# Altium PCB COPY_HIVE_BOARD.PcbDoc (part 2 of 9) (continued)
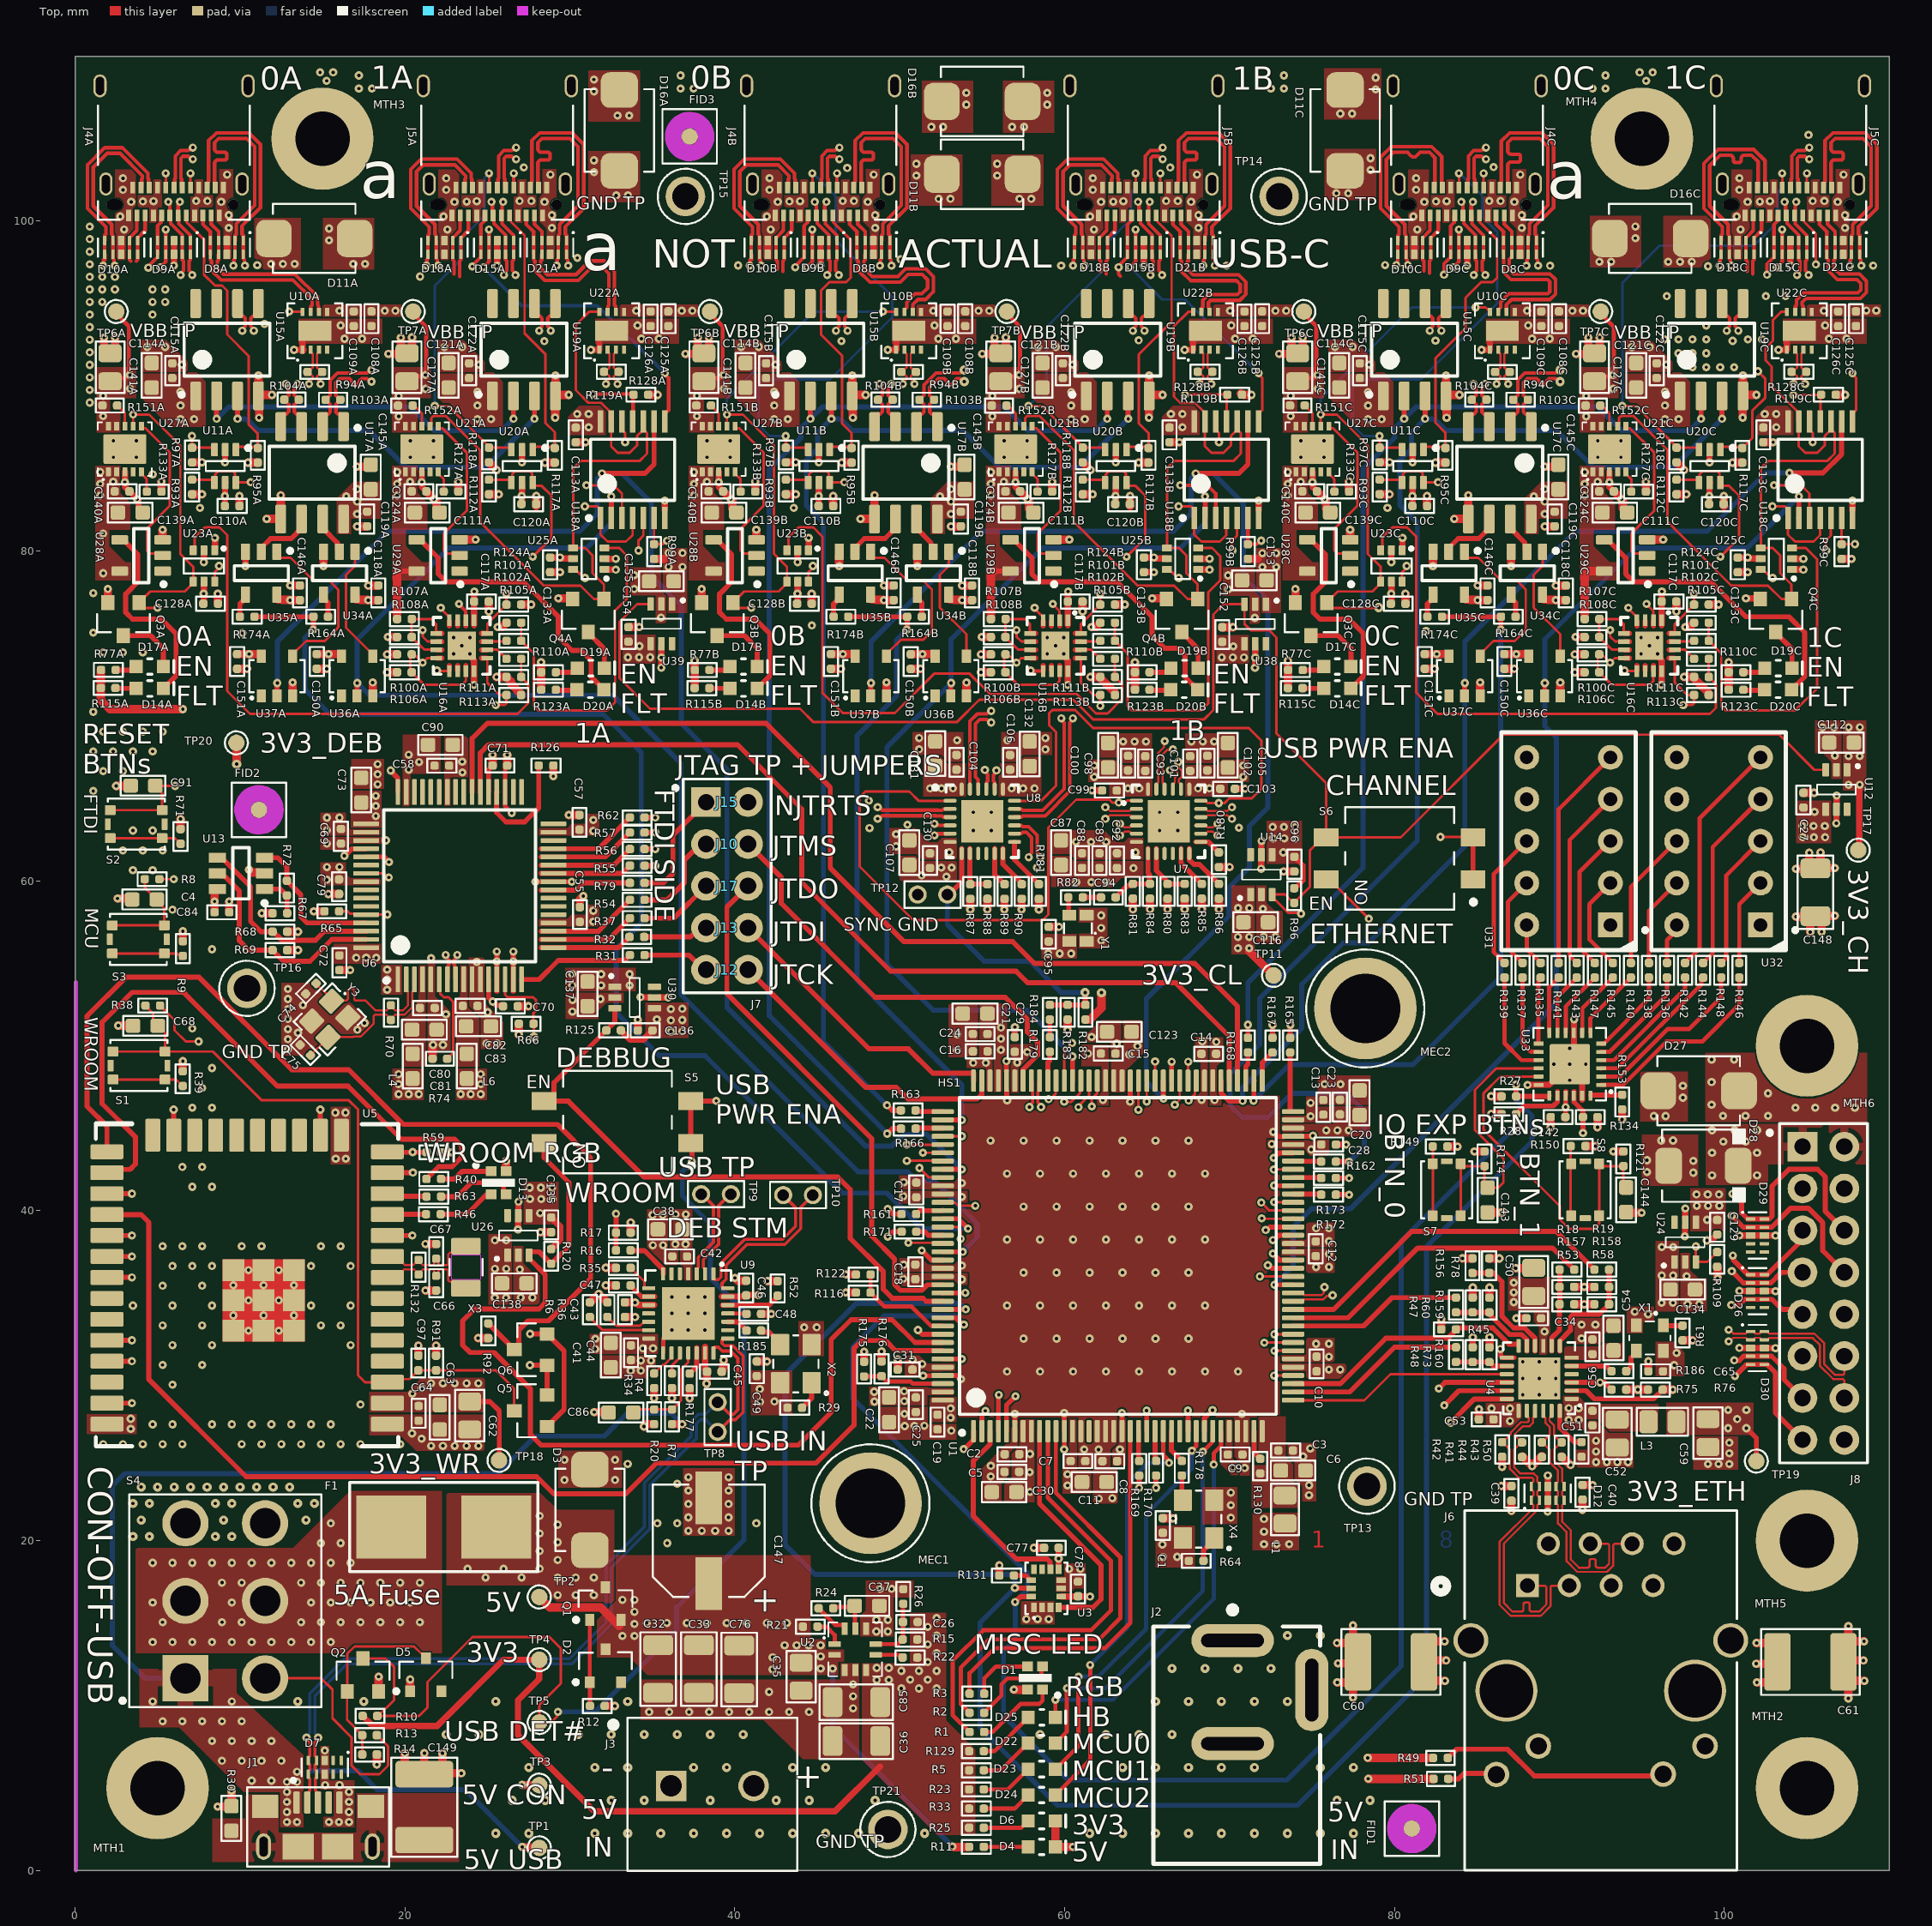
[diagram p0: Top view]
## Components (designator, comment, footprint, x,y, rotation, side; value= is the part's Value field where it differs from the comment) (continued)
U5 "ESP32-WROOM-32UE (4MB)" COM_ESP32-WROOM-32UE(8MB) 10.432,34.569 r180 top
U6 "FT4232HL-REEL" COM_USB_FT4232HL-REEL 23.321,59.702 r90 top
U7 "SI53342-B-GM" TIM_FAN_SI53342-B-GM 66.304,63.613 r0 top value=2:6
U8 "SI53342-B-GM" TIM_FAN_SI53342-B-GM 55.004,63.613 r0 top value=2:6
U9 "USB2412-DZK" USB_USB2412-DZK 37.179,33.778 r270 top value=2-PORTS
U10A "DS90LV001TLD/NOPB" COM_BUF_DS90LV001TLD/NOPB 14.536,93.351 r90 top value=LVDS (schematic designator U10)
U10B "DS90LV001TLD/NOPB" COM_BUF_DS90LV001TLD/NOPB 50.536,93.351 r90 top value=LVDS (schematic designator U10)
U10C "DS90LV001TLD/NOPB" COM_BUF_DS90LV001TLD/NOPB 86.536,93.351 r90 top value=LVDS (schematic designator U10)
U11A "TC7PZ05FU,LJ(CT" LOG_BUF_TC7PZ05FU,LJ(CT 9.102,85.146 r270 top (schematic designator U11)
U11B "TC7PZ05FU,LJ(CT" LOG_BUF_TC7PZ05FU,LJ(CT 45.102,85.146 r270 top (schematic designator U11)
U11C "TC7PZ05FU,LJ(CT" LOG_BUF_TC7PZ05FU,LJ(CT 81.102,85.146 r270 top (schematic designator U11)
U12 "MIC94072YC6-TR" POW_MIC94072YC6-TR 106.788,65.534 r270 top value=120mOhm
U13 "93LC46BT-E/OT" MEM_EEPROM_93LC46BT-E/OT 10.061,60.456 r180 top value=1Kb
U14 "MIC94072YC6-TR" POW_MIC94072YC6-TR 71.925,60.377 r90 top value=120mOhm
U15A "FIN1027AMX" COM_XCV_FIN1027AMCOM 9.216,92.202 r90 top value=600Mbps (schematic designator U15)
U15B "FIN1027AMX" COM_XCV_FIN1027AMCOM 45.216,92.202 r90 top value=600Mbps (schematic designator U15)
U15C "FIN1027AMX" COM_XCV_FIN1027AMCOM 81.216,92.202 r90 top value=600Mbps (schematic designator U15)
U16A "LM339LVRTER" CMP_LM339LVRTER 23.444,74.256 r270 top (schematic designator U16)
U16B "LM339LVRTER" CMP_LM339LVRTER 59.444,74.256 r270 top (schematic designator U16)
U16C "LM339LVRTER" CMP_LM339LVRTER 95.444,74.256 r270 top (schematic designator U16)
U17A "FIN1028MX" COM_XCV_FIN1028MX 14.375,84.742 r270 top value=400Mbps (schematic designator U17)
U17B "FIN1028MX" COM_XCV_FIN1028MX 50.375,84.742 r270 top value=400Mbps (schematic designator U17)
U17C "FIN1028MX" COM_XCV_FIN1028MX 86.375,84.742 r270 top value=400Mbps (schematic designator U17)
U18A "74LVC126APW,118" LOG_BUF_74LVC126APW,118 33.805,84.925 r90 top (schematic designator U18)
U18B "74LVC126APW,118" LOG_BUF_74LVC126APW,118 69.805,84.925 r90 top (schematic designator U18)
U18C "74LVC126APW,118" LOG_BUF_74LVC126APW,118 105.805,84.925 r90 top (schematic designator U18)
U19A "FIN1027AMX" COM_XCV_FIN1027AMCOM 27.216,92.202 r90 top value=600Mbps (schematic designator U19)
U19B "FIN1027AMX" COM_XCV_FIN1027AMCOM 63.216,92.202 r90 top value=600Mbps (schematic designator U19)
U19C "FIN1027AMX" COM_XCV_FIN1027AMCOM 99.216,92.202 r90 top value=600Mbps (schematic designator U19)
U20A "TC7PZ05FU,LJ(CT" LOG_BUF_TC7PZ05FU,LJ(CT 27.102,85.146 r270 top (schematic designator U20)
U20B "TC7PZ05FU,LJ(CT" LOG_BUF_TC7PZ05FU,LJ(CT 63.102,85.146 r270 top (schematic designator U20)
U20C "TC7PZ05FU,LJ(CT" LOG_BUF_TC7PZ05FU,LJ(CT 99.102,85.146 r270 top (schematic designator U20)
U21A "NIS6150MT1TXG" POW_NIS6150MT1TXG 21.023,86.182 r90 top (schematic designator U21)
U21B "NIS6150MT1TXG" POW_NIS6150MT1TXG 57.023,86.182 r90 top (schematic designator U21)
U21C "NIS6150MT1TXG" POW_NIS6150MT1TXG 93.023,86.182 r90 top (schematic designator U21)
U22A "DS90LV001TLD/NOPB" COM_BUF_DS90LV001TLD/NOPB 32.536,93.351 r90 top value=LVDS (schematic designator U22)
U22B "DS90LV001TLD/NOPB" COM_BUF_DS90LV001TLD/NOPB 68.536,93.351 r90 top value=LVDS (schematic designator U22)
U22C "DS90LV001TLD/NOPB" COM_BUF_DS90LV001TLD/NOPB 104.536,93.351 r90 top value=LVDS (schematic designator U22)
U23A "74LVC1G11DW-7" LOG_AND_74LVC1G11DW-7 7.812,79.091 r270 top (schematic designator U23)
U23B "74LVC1G11DW-7" LOG_AND_74LVC1G11DW-7 43.812,79.091 r270 top (schematic designator U23)
U23C "74LVC1G11DW-7" LOG_AND_74LVC1G11DW-7 79.812,79.091 r270 top (schematic designator U23)
U24 "MIC94072YC6-TR" POW_MIC94072YC6-TR 97.619,38.098 r90 top value=120mOhm
U25A "74LVC1G11DW-7" LOG_AND_74LVC1G11DW-7 31.15,79.53 r180 top (schematic designator U25)
U25B "74LVC1G11DW-7" LOG_AND_74LVC1G11DW-7 67.15,79.53 r180 top (schematic designator U25)
U25C "74LVC1G11DW-7" LOG_AND_74LVC1G11DW-7 103.15,79.53 r180 top (schematic designator U25)
U26 "MIC94072YC6-TR" POW_MIC94072YC6-TR 26.873,38.508 r90 top value=120mOhm
U27A "NIS6150MT1TXG" POW_NIS6150MT1TXG 3.023,86.182 r90 top (schematic designator U27)
U27B "NIS6150MT1TXG" POW_NIS6150MT1TXG 39.023,86.182 r90 top (schematic designator U27)
U27C "NIS6150MT1TXG" POW_NIS6150MT1TXG 75.023,86.182 r90 top (schematic designator U27)
U28A "74AHC1G07GV,125" "LOG_BUF_ 74AHC1G07GV,125" 4.013,79.731 r180 top (schematic designator U28)
U28B "74AHC1G07GV,125" "LOG_BUF_ 74AHC1G07GV,125" 40.013,79.731 r180 top (schematic designator U28)
U28C "74AHC1G07GV,125" "LOG_BUF_ 74AHC1G07GV,125" 76.013,79.731 r180 top (schematic designator U28)
U29A "74AHC1G07GV,125" "LOG_BUF_ 74AHC1G07GV,125" 22.013,79.731 r180 top (schematic designator U29)
U29B "74AHC1G07GV,125" "LOG_BUF_ 74AHC1G07GV,125" 58.013,79.731 r180 top (schematic designator U29)
U29C "74AHC1G07GV,125" "LOG_BUF_ 74AHC1G07GV,125" 94.013,79.731 r180 top (schematic designator U29)
U30 "MIC94072YC6-TR" POW_MIC94072YC6-TR 33.924,52.931 r0 top value=120mOhm
U31 "INND-TS30RAB" LED_7SEG_INND-TS30RAB 90.548,62.41 r180 top
U32 "INND-TS30RAB" LED_7SEG_INND-TS30RAB 99.644,62.41 r180 top
U33 "TCA9539RGER" LOG_IOEXP_TCA9539RGER 90.624,48.886 r180 top
U34A "74LVC1G126GV,125" "LOG_BUF_ 74LVC1G126GV,125" 16.023,78.658 r270 top value="BUF 5V" (schematic designator U34)
U34B "74LVC1G126GV,125" "LOG_BUF_ 74LVC1G126GV,125" 52.023,78.658 r270 top value="BUF 5V" (schematic designator U34)
U34C "74LVC1G126GV,125" "LOG_BUF_ 74LVC1G126GV,125" 88.023,78.658 r270 top value="BUF 5V" (schematic designator U34)
U35A "74LVC1G126GV,125" "LOG_BUF_ 74LVC1G126GV,125" 11.284,78.658 r270 top value="BUF 5V" (schematic designator U35)
U35B "74LVC1G126GV,125" "LOG_BUF_ 74LVC1G126GV,125" 47.284,78.658 r270 top value="BUF 5V" (schematic designator U35)
U35C "74LVC1G126GV,125" "LOG_BUF_ 74LVC1G126GV,125" 83.284,78.658 r270 top value="BUF 5V" (schematic designator U35)
U36A "74LVC1G04GV" LOG_INV_74LVC1G04GV 17.094,72.415 r0 top (schematic designator U36)
U36B "74LVC1G04GV" LOG_INV_74LVC1G04GV 53.094,72.415 r0 top (schematic designator U36)
U36C "74LVC1G04GV" LOG_INV_74LVC1G04GV 89.094,72.415 r0 top (schematic designator U36)
U37A "74LVC1G04GV" LOG_INV_74LVC1G04GV 12.243,72.415 r0 top (schematic designator U37)
U37B "74LVC1G04GV" LOG_INV_74LVC1G04GV 48.243,72.415 r0 top (schematic designator U37)
U37C "74LVC1G04GV" LOG_INV_74LVC1G04GV 84.243,72.415 r0 top (schematic designator U37)
U38 "MIC94072YC6-TR" POW_MIC94072YC6-TR 71.55,75.574 r270 top value=120mOhm
U39 "MIC94072YC6-TR" POW_MIC94072YC6-TR 35.55,75.585 r270 top value=120mOhm
X1 "ASDM1-25.000MHZ-LC-T" OSC_CRY_ASDM1-25.000MHZ-LC-T 95.479,32.283 r180 top value=25.000MHz
X2 "O 24,0-JO32-B-1V3-1-T1-LF" "OSC_O 24,0-JO32-B-1V3-1-T1-LF" 43.701,30.726 r90 top value=24MHz
X3 "VMK3-9005-32K7680000" CRY_VMK3-9005-32K7680000 23.698,36.576 r90 top value=32.7680kHz
X4 "O 24,0-JO32-B-1V3-1-T1-LF" "OSC_O 24,0-JO32-B-1V3-1-T1-LF" 68.113,21.31 r90 top value=24MHz
Y1 "O 38,40-JT21G-E-M-3,3-LF" "OSC_O 38,40-JT21G-E-M-3,3-LF" 60.803,57.125 r180 top value="38.4 MHz"
Y3 "FA-20H 12.0000MD30Z-K3" CRY_FA-20H 15.445,51.607 r225 top value=12MHz

## Footprints (in the part's own frame and the unit in brackets; to place one, negate y for a bottom-side part, rotate by r counter-clockwise, add the part's x,y. Pads: shape width x height; smd on the part's side, far side on the other; paste and mask are expansions set on the pad)
CAP_CER_0402 [mil] "Ceramic Capacitor - 0402"
  rrect60% 20x20 smd paste+0 mask+1.97: 1(-17.5,0) 2(17.5,0)
  silkscreen extent -34,-17 34,17, body extent -19,-10 20,10, height 20
CAP_CER_0603 [mil] "Ceramic Capacitor - 0603"
  rrect35% 35x34 smd paste+0 mask+1.97: 1(-29.5,0) 2(29.5,0)
  silkscreen extent -53,-24 53,24, body extent -31,-16 31,16, height 35
CAP_CER_0805 [mil] "Ceramic Capacitor - 0805"
  rrect37% 43x55 smd paste+0 mask+1.97: 1(-33.5,0) 2(33.5,0)
  silkscreen extent -62,-34 62,35, body extent -39,-24 40,25, height 49
CAP_CER_1206 [mil] "Ceramic Capacitor - 1206"
  rrect34% 47x71 smd paste+0 mask+1.97: 1(-57,0) 2(57,0)
  silkscreen extent -88,-42 88,43, body extent -62,-31 64,32, height 49
CAP_CER_1812 [mm]
  rrect25% 1.6x3.5 smd paste-0.025 mask+0.05: 1(-2,0) 2(2,0)
  silkscreen extent -3,-2 3,2, body extent -2.3,-1.6 2.3,1.6, height 1.3
CAP_POLY_APXG160ARA221MF80G [mm]
  rect 3.21x1.62 smd paste-0.025 mask+0.07: 1(-2.6,0) 2(2.6,0)
  silkscreen extent -3.4,-3.4 3.4,3.4, body extent -3.6,-3.4 3.6,3.4, height 8
CMP_LM339LVRTER [mm] "WQFN-16"
  rrect10% 0.7x0.28 smd paste-0.025 mask+0.055: 1(-1.55,0.75) 2(-1.55,0.25) 3(-1.55,-0.25) 4(-1.55,-0.75) 9(1.55,-0.75) 10(1.55,-0.25) 11(1.55,0.25) 12(1.55,0.75)
  rrect10% 0.28x0.7 smd paste-0.025 mask+0.055: 5(-0.75,-1.55) 6(-0.25,-1.55) 7(0.25,-1.55) 8(0.75,-1.55) 13(0.75,1.55) 14(0.25,1.55) 15(-0.25,1.55) 16(-0.75,1.55)
  rect 1.7x1.7 smd paste-1.7 mask+0: 17(0,0)
  Top region: 1.2,0.89 1.139,0.876 1.09,0.837 1.063,0.781 1.063,0.719 1.09,0.663 1.139,0.624 1.2,0.61 1.2,0.61 1.55,0.61 1.55,0.89
  Top region: 1.2,-0.61 1.139,-0.624 1.09,-0.663 1.063,-0.719 1.063,-0.781 1.09,-0.837 1.139,-0.876 1.2,-0.89 1.2,-0.89 1.55,-0.89 1.55,-0.61
  Top region: 1.2,-0.11 1.139,-0.124 1.09,-0.163 1.063,-0.219 1.063,-0.281 1.09,-0.337 1.139,-0.376 1.2,-0.39 1.2,-0.39 1.55,-0.39 1.55,-0.11
  Top region: 1.2,0.39 1.139,0.376 1.09,0.337 1.063,0.281 1.063,0.219 1.09,0.163 1.139,0.124 1.2,0.11 1.2,0.11 1.55,0.11 1.55,0.39
  Top region: -0.89,1.2 -0.876,1.139 -0.837,1.09 -0.781,1.063 -0.719,1.063 -0.663,1.09 -0.624,1.139 -0.61,1.2 -0.61,1.2 -0.61,1.55 -0.89,1.55
  Top region: 0.61,1.2 0.624,1.139 0.663,1.09 0.719,1.063 0.781,1.063 0.837,1.09 0.876,1.139 0.89,1.2 0.89,1.2 0.89,1.55 0.61,1.55
  Top region: 0.11,1.2 0.124,1.139 0.163,1.09 0.219,1.063 0.281,1.063 0.337,1.09 0.376,1.139 0.39,1.2 0.39,1.2 0.39,1.55 0.11,1.55
  Top region: -0.39,1.2 -0.376,1.139 -0.337,1.09 -0.281,1.063 -0.219,1.063 -0.163,1.09 -0.124,1.139 -0.11,1.2 -0.11,1.2 -0.11,1.55 -0.39,1.55
  Top region: -1.2,-0.89 -1.139,-0.876 -1.09,-0.837 -1.063,-0.781 -1.063,-0.719 -1.09,-0.663 -1.139,-0.624 -1.2,-0.61 -1.2,-0.61 -1.55,-0.61 -1.55,-0.89
  Top region: -1.2,0.61 -1.139,0.624 -1.09,0.663 -1.063,0.719 -1.063,0.781 -1.09,0.837 -1.139,0.876 -1.2,0.89 -1.2,0.89 -1.55,0.89 -1.55,0.61
  Top region: -1.2,0.11 -1.139,0.124 -1.09,0.163 -1.063,0.219 -1.063,0.281 -1.09,0.337 -1.139,0.376 -1.2,0.39 -1.2,0.39 -1.55,0.39 -1.55,0.11
  Top region: -1.2,-0.39 -1.139,-0.376 -1.09,-0.337 -1.063,-0.281 -1.063,-0.219 -1.09,-0.163 -1.139,-0.124 -1.2,-0.11 -1.2,-0.11 -1.55,-0.11 -1.55,-0.39
  Top region: 0.89,-1.2 0.876,-1.139 0.837,-1.09 0.781,-1.063 0.719,-1.063 0.663,-1.09 0.624,-1.139 0.61,-1.2 0.61,-1.2 0.61,-1.55 0.89,-1.55
  Top region: -0.61,-1.2 -0.624,-1.139 -0.663,-1.09 -0.719,-1.063 -0.781,-1.063 -0.837,-1.09 -0.876,-1.139 -0.89,-1.2 -0.89,-1.2 -0.89,-1.55 -0.61,-1.55
  Top region: -0.11,-1.2 -0.124,-1.139 -0.163,-1.09 -0.219,-1.063 -0.281,-1.063 -0.337,-1.09 -0.376,-1.139 -0.39,-1.2 -0.39,-1.2 -0.39,-1.55 -0.11,-1.55
  Top region: 0.39,-1.2 0.376,-1.139 0.337,-1.09 0.281,-1.063 0.219,-1.063 0.163,-1.09 0.124,-1.139 0.11,-1.2 0.11,-1.2 0.11,-1.55 0.39,-1.55
  silkscreen extent -1.73,-1.73 1.73,1.73, body extent -1.58,-1.58 1.58,1.58, height 0.8
COM_BUF_DS90LV001TLD/NOPB [mm] "SON, 8-Leads, Body 3.00x3.00mm, Pitch 0.50mm, Thermal Pad 2.00x1.20mm, IPC Medium Density"
  rect 0.5x0.25 smd paste-0.025 mask+0.07: 1(-1.15,0.75) 2(-1.15,0.25) 3(-1.15,-0.25) 4(-1.15,-0.75) 5(1.15,-0.75) 6(1.15,-0.25) 7(1.15,0.25) 8(1.15,0.75)
  rect 1.2x2 smd paste-0.025 mask+0.07: 9(0,0)
  silkscreen extent -1.82,-1.66 1.66,1.66, body extent -1.55,-1.55 1.55,1.55, height 0.8
COM_ESP32-WROOM-32UE(8MB) [mm]
  rrect20% 2x0.9 smd paste-0.025 mask+0.07: 1(-8.5,7.5) 2(-8.5,6.23) 3(-8.5,4.96) 4(-8.5,3.69) 5(-8.5,2.42) 6(-8.5,1.15) 7(-8.5,-0.12) 8(-8.5,-1.39) 9(-8.5,-2.66) 10(-8.5,-3.93) 11(-8.5,-5.2) 12(-8.5,-6.47) 13(-8.5,-7.74) 14(-8.5,-9.01) 25(8.5,-9.01) 26(8.5,-7.74) 27(8.5,-6.47) 28(8.5,-5.2) 29(8.5,-3.93) 30(8.5,-2.66) 31(8.5,-1.39) 32(8.5,-0.12) 33(8.5,1.15) 34(8.5,2.42) 35(8.5,3.69) 36(8.5,4.96) 37(8.5,6.23) 38(8.5,7.5)
  rrect20% 0.9x2 smd paste-0.025 mask+0.07: 15(-5.715,-10.01) 16(-4.445,-10.01) 17(-3.175,-10.01) 18(-1.905,-10.01) 19(-0.635,-10.01) 20(0.635,-10.01) 21(1.905,-10.01) 22(3.175,-10.01) 23(4.445,-10.01) 24(5.715,-10.01)
  rrect0% 1.33x1.33 smd paste-0.025 mask+0.07: 39(-2.835,1.835) 39(-2.835,0) 39(-2.835,-1.835) 39(-1,1.835) 39(-1,0) 39(-1,-1.835) 39(0.835,1.835) 39(0.835,0) 39(0.835,-1.835)
  Top region: -3.5,-2.5 1.5,-2.5 1.5,2.5 -3.5,2.5
  silkscreen extent -9.17,-10.73 9.17,8.83, body extent -9.03,-10.55 9.04,8.69, height 3.4
COM_ETH_LAN8742A-CZ-TR [mm] "24SQFN"
  rrect50% 0.85x0.25 smd paste+0 mask+0.05: 1(-1.968,1.25) 2(-1.968,0.75) 3(-1.968,0.25) 4(-1.968,-0.25) 5(-1.968,-0.75) 6(-1.968,-1.25) 13(1.968,-1.25) 14(1.968,-0.75) 15(1.968,-0.25) 16(1.968,0.25) 17(1.968,0.75) 18(1.968,1.25)
  rrect50% 0.25x0.85 smd paste+0 mask+0.05: 7(-1.25,-1.968) 8(-0.75,-1.968) 9(-0.25,-1.968) 10(0.25,-1.968) 11(0.75,-1.968) 12(1.25,-1.968) 19(1.25,1.968) 20(0.75,1.968) 21(0.25,1.968) 22(-0.25,1.968) 23(-0.75,1.968) 24(-1.25,1.968)
  rect 2.55x2.55 smd paste-1.283 mask+0: 25(0,0)
  silkscreen extent -2.54,-2.17 2.17,2.17, body extent -2.04,-2.04 2.05,2.05, height 1.4
COM_USB_FT4232HL-REEL [mm] "TSQFP, 64-Leads, Body 10,00x10,00mm"
  rrect25% 1.56x0.28 smd paste-0.025 mask+0.055: 1(-5.68,3.75) 2(-5.68,3.25) 3(-5.68,2.75) 4(-5.68,2.25) 5(-5.68,1.75) 6(-5.68,1.25) 7(-5.68,0.75) 8(-5.68,0.25) 9(-5.68,-0.25) 10(-5.68,-0.75) 11(-5.68,-1.25) 12(-5.68,-1.75) 13(-5.68,-2.25) 14(-5.68,-2.75) 15(-5.68,-3.25) 16(-5.68,-3.75) 33(5.68,-3.75) 34(5.68,-3.25) 35(5.68,-2.75) 36(5.68,-2.25) 37(5.68,-1.75) 38(5.68,-1.25) 39(5.68,-0.75) 40(5.68,-0.25) 41(5.68,0.25) 42(5.68,0.75) 43(5.68,1.25) 44(5.68,1.75) 45(5.68,2.25) 46(5.68,2.75) 47(5.68,3.25) 48(5.68,3.75)
  rrect25% 0.28x1.56 smd paste-0.025 mask+0.055: 17(-3.75,-5.68) 18(-3.25,-5.68) 19(-2.75,-5.68) 20(-2.25,-5.68) 21(-1.75,-5.68) 22(-1.25,-5.68) 23(-0.75,-5.68) 24(-0.25,-5.68) 25(0.25,-5.68) 26(0.75,-5.68) 27(1.25,-5.68) 28(1.75,-5.68) 29(2.25,-5.68) 30(2.75,-5.68) 31(3.25,-5.68) 32(3.75,-5.68) 49(3.75,5.68) 50(3.25,5.68) 51(2.75,5.68) 52(2.25,5.68) 53(1.75,5.68) 54(1.25,5.68) 55(0.75,5.68) 56(0.25,5.68) 57(-0.25,5.68) 58(-0.75,5.68) 59(-1.25,5.68) 60(-1.75,5.68) 61(-2.25,5.68) 62(-2.75,5.68) 63(-3.25,5.68) 64(-3.75,5.68)
  silkscreen extent -5.87,-4.6 4.6,4.6, body extent -6,-6 6,6, height 1.58
COM_XCV_FIN1027AMCOM [mm] "8-SOIC"
  rrect30% 1.75x0.65 smd paste-0.025 mask+0.07: 1(-2.8,1.905) 2(-2.8,0.635) 3(-2.8,-0.635) 4(-2.8,-1.905) 5(2.8,-1.905) 6(2.8,-0.635) 7(2.8,0.635) 8(2.8,1.905)
  silkscreen extent -2.85,-2.6 1.6,2.88, body extent -3,-2.5 3,2.5, height 1.75
COM_XCV_FIN1028MX [mm] "8-SOIC"
  rrect30% 1.75x0.65 smd paste-0.025 mask+0.07: 1(-2.8,1.905) 2(-2.8,0.635) 3(-2.8,-0.635) 4(-2.8,-1.905) 5(2.8,-1.905) 6(2.8,-0.635) 7(2.8,0.635) 8(2.8,1.905)
  silkscreen extent -2.85,-2.6 1.6,2.88, body extent -3,-2.5 3,2.5, height 1.75
"CON_ 1935161" [mm]
  rect 1.85x1.85 hole 1.3: 1(0,0)
  round 1.85 hole 1.3: 2(5,0)
  silkscreen extent -3.63,-5.16 7.65,4.14, body extent -2.5,-5 8.07,4, height 11.4
CON_ETH_J1B1211CCD_WIZ [mil] "ETH with mags"
  round 148 hole 128: 0(-75,-101.57) 0(375,-101.57)
  rect 55x55 / inner round 55 / far side round 55 hole 35.43 mask+0: 1(-25,149.21)
  round 55 hole 35.43 mask+0: 2(25,249.21) 3(75,149.21) 4(125,249.21) 5(175,149.21) 6(225,249.21) 7(275,149.21) 8(325,249.21)
  round 61 hole 41: 9(-99.02,-301.57) 10(0.98,-233.86) 11(299.02,-300.79) 12(399.02,-233.86)
  round 83 hole 63: 13(-160.04,18.5) 14(460.04,18.5)
  silkscreen extent -247,-530 475,328, body extent -204,-525 506,313, height 565
CON_HDR_PREC008DAAN-RC [mm]
  rect 1.8x1.8 hole 1: 1(-1.27,8.89)
  round 1.8 hole 1: 2(1.27,8.89) 3(-1.27,6.35) 4(1.27,6.35) 5(-1.27,3.81) 6(1.27,3.81) 7(-1.27,1.27) 8(1.27,1.27) 9(-1.27,-1.27) 10(1.27,-1.27) 11(-1.27,-3.81) 12(1.27,-3.81) 13(-1.27,-6.35) 14(1.27,-6.35) 15(-1.27,-8.89) 16(1.27,-8.89)
  silkscreen extent -3.38,-10.29 2.67,10.29, body extent -2.54,-10.16 2.54,10.16, height 8.37
CON_HDR_PREC009DAAN-RC [mm] "18 pin header 100 mils"
  rect 1.8x1.8 hole 1: 1(-1.27,5.08)
  round 1.8 hole 1: 2(1.27,5.08) 3(-1.27,2.54) 4(1.27,2.54) 5(-1.27,0) 6(1.27,0) 7(-1.27,-2.54) 8(1.27,-2.54) 9(-1.27,-5.08) 10(1.27,-5.08)
  silkscreen extent -3.26,-6.48 2.67,6.48, body extent -2.54,-6.35 2.54,6.35, height 8.43
CON_JMP_SNT-100-BK-T-H [mm] "100 Mil Header Jumper"
  body extent -2.54,-1.27 2.54,1.27, height 16.51
CON_PWR_PJ-002A [mm]
  oval 2x5 hole 0.8 slot 3.8 at 90 deg mask+0.07: 1(-6.25,0) 2(0,0)
  oval 5x2 hole 0.8 slot 3.8 at 0 deg mask+0.07: 3(-3.25,4.8)
  silkscreen extent -8.31,-4.8 7.29,5.3, body extent -6.8,-4.5 7.5,5, height 11.02
CON_USB_3.2_TypeC_12401598E4#2A [mm]
  oval 0.8x1.4 hole 0.5 slot 1.1 at 90 deg paste+0 mask+0.07: 1(-4.13,-1.25) 2(-4.49,-7.2) 3(4.49,-7.2) 4(4.13,-1.25)
  rect 0.3x0.7 smd paste-0.025 mask+0.04: A1(-2.75,0.66) A2(-2.25,0.66) A3(-1.75,0.66) A4(-1.25,0.66) A5(-0.75,0.66) A6(-0.25,0.66) A7(0.25,0.66) A8(0.75,0.66) A9(1.25,0.66) A10(1.75,0.66) A11(2.25,0.66) A12(2.75,0.66) B1(2.5,-1.04) B2(2,-1.04) B3(1.5,-1.04) B4(1,-1.04) B5(0.5,-1.04) B6(0,-1.04) B7(-0.5,-1.04) B8(-1,-1.04) B9(-1.5,-1.04) B10(-2,-1.04) B11(-2.5,-1.04) B12(-3,-1.04)
  round 0.65 hole 0.65 unplated mask+0.07: ""(-3.6,0)
  oval 0.95x0.65 hole 0.65 slot 0.95 at 0 deg paste+0 mask+0.07: ""(3.6,0)
  silkscreen extent -4.6,-6 4.6,0.91, body extent -4.6,-9.6 4.6,0.9, height 3.28
CON_USB_10118194-0001LF [mm] "CONN USB MICRO B RECPT SMT R/A"
  rrect50% 0.4x1.35 smd paste-0.05 mask+0.05: 1(-1.3,2.675) 2(-0.65,2.675) 3(0,2.675) 4(0.65,2.675) 5(1.3,2.675)
  rect 1.6x1.4 smd paste-0.05 mask+0.05: 6(3.2,2.45) 11(-3.2,2.45)
  rrect100% 0.9x1.6 hole 0.5 slot 1.2 at 90 deg mask+0.05: 7(3.3,0) 10(-3.3,0)
  rect 1.9x1.55 smd paste-0.05 mask+0.05: 8(1.2,0) 9(-1.2,0)
  silkscreen extent -4.3,-1.2 4.3,4.11, body extent -3.93,-2.76 3.93,2.9, height 2.88
CRY_FA-20H [mm] "CRY - FA-20H 4-SMD"
  rrect20% 1.2x1.1 smd paste-0.025 mask+0.07: 1(-0.85,-0.7) 2(0.85,-0.7) 3(0.85,0.7) 4(-0.85,0.7)
  silkscreen extent -1.8,-1.45 1.65,1.45, body extent -1.3,-1.05 1.3,1.05, height 0.55
CRY_VMK3-9005-32K7680000 [mm] "CRY - 32.768KHZ tol:20ppm 9PF - 2-SMD"
  rrect20% 1x1.8 smd paste-0.025 mask+0.07: 1(-1.275,0) 2(1.275,0)
  Top keep-out region: -0.725,-0.9 0.725,-0.9 0.725,0.9 -0.725,0.9
  silkscreen extent -0.5,-1 0.5,1, body extent -1.65,-0.8 1.65,0.8, height 0.65
DIO_EAST1616RGBA3 [mm] "Diode Red/Green/Blue"
  rect 0.6x0.65 smd paste-0.025 mask+0.05: 1(0.7,0.45) 2(-0.7,0.45) 3(0.7,-0.45) 4(-0.7,-0.45)
  silkscreen extent -0.25,-1 1.14,1.47, body extent -0.8,-0.8 0.8,0.8, height 0.46
DIO_ZENER_BZX84-B4V3,215 [mm]
  rect 0.7x0.6 smd paste-0.025 mask+0.07: 1(-1,0.95) 2(-1,-0.95) 3(1,0)
  silkscreen extent -1.12,-1.6 0.81,1.92, body extent -1.3,-1.5 1.3,1.5, height 1.1
FER_0402 [mil] "Ferrite - 0402"
  rrect60% 20x20 smd paste+0 mask+1.97: 1(-17.5,0) 2(17.5,0)
  silkscreen extent -33,-17 33,17, body extent -20,-10 20,10, height 19
FER_0603 [mil] "Ferrite - 0603"
  rrect35% 35x34 smd paste+0 mask+1.97: 1(-29.5,0) 2(29.5,0)
  silkscreen extent -53,-24 53,24, body extent -31,-16 32,16, height 31
FER_0805 [mil] "Ferrite - 0805"
  rrect37% 43x55 smd paste+0 mask+1.97: 1(-33.5,0) 2(33.5,0)
  silkscreen extent -61,-33 61,33, body extent -39,-24 39,24, height 35
FID_CIRCLE_1MM [mm]
  round 1 smd paste-1 mask+1: 1(0,0)
  round 1 smd far side paste-1 mask+1: 2(0,0)
  Top keep-out circle w1: c0,0 r1
  Bottom keep-out circle w1: c0,0 r1
  silkscreen extent -1.65,-1.65 1.65,1.65
FUS_0154XXX.DR [mm] "FUSE BRD MNT 2SMD"
  rect 4.242x3.81 smd paste+0 mask+0.102: 1(-3.185,0) 2(3.185,0)
  silkscreen extent -5.7,-2.7 5.7,2.7, body extent -4.85,-2.5 4.85,2.5, height 3.69
LED_7SEG_INND-TS30RAB [mm] "100milsx200mils TH"
  rect 1.51x1.51 hole 0.81: 1(-2.54,5.08)
  round 1.51 hole 0.81: 2(-2.54,2.54) 3(-2.54,0) 4(-2.54,-2.54) 5(-2.54,-5.08) 6(2.54,-5.08) 7(2.54,-2.54) 8(2.54,0) 9(2.54,2.54) 10(2.54,5.08)
  silkscreen extent -4.76,-6.6 4.08,6.6, body extent -3.81,-6.35 3.81,6.35, height 6.25
LED_SML-D12P8WT86 [mm] "0603"
  rect 0.8x0.8 smd paste-0.025 mask+0.07: A(0.825,0) K(-0.825,0)
  silkscreen extent -1.45,-0.48 0.13,0.48, body extent -0.8,-0.4 0.8,0.4, height 0.6
LED_SML-D12U8WT86 [mm] "0603"
  rect 0.8x0.8 smd paste-0.025 mask+0.07: A(0.825,0) K(-0.825,0)
  silkscreen extent -1.45,-0.48 0.13,0.48, body extent -0.8,-0.4 0.8,0.4, height 0.6
LOG_AND_74LVC1G11DW-7 [mm] "SOT23, 6-Leads, Body 2,00x2,10mm, Pitch 0,65mm, IPC Medium Density"
  rrect20% 0.6x0.42 smd paste-0.025 mask+0.05: 1(-0.95,0.65) 2(-0.95,0) 3(-0.95,-0.65) 4(0.95,-0.65) 5(0.95,0) 6(0.95,0.65)
  silkscreen extent -1.13,-1.22 0.45,1.27, body extent -1.1,-1.1 1.1,1.1, height 1.1
LOG_BUF_74LVC126APW,118 [mm]
  rrect20% 1.35x0.35 smd paste-0.025 mask+0.07: 1(-2.925,1.95) 2(-2.925,1.3) 3(-2.925,0.65) 4(-2.925,0) 5(-2.925,-0.65) 6(-2.925,-1.3) 7(-2.925,-1.95) 8(2.925,-1.95) 9(2.925,-1.3) 10(2.925,-0.65) 11(2.925,0) 12(2.925,0.65) 13(2.925,1.3) 14(2.925,1.95)
  silkscreen extent -3.05,-2.55 1.85,2.77, body extent -3.2,-2.55 3.2,2.55, height 1.1
"LOG_BUF_ 74AHC1G07GV,125" [mm]
  rrect20% 1x0.55 smd paste-0.025 mask+0.07: 1(-1.3,0.95) 2(-1.3,0) 3(-1.3,-0.95) 4(1.3,-0.95) 5(1.3,0.95)
  silkscreen extent -1.47,-1.62 0.45,1.87, body extent -1.5,-1.55 1.5,1.55, height 1.1
"LOG_BUF_ 74LVC1G126GV,125" [mm]
  rrect20% 1x0.55 smd paste-0.025 mask+0.07: 1(-1.3,0.95) 2(-1.3,0) 3(-1.3,-0.95) 4(1.3,-0.95) 5(1.3,0.95)
  silkscreen extent -1.47,-1.62 0.45,1.88, body extent -1.5,-1.55 1.5,1.55, height 1.1
LOG_BUF_TC7PZ05FU,LJ(CT [mm]
  rrect20% 0.8x0.4 smd paste-0.05 mask+0.07: 1(-1,0.65) 2(-1,0) 3(-1,-0.65) 4(1,-0.65) 5(1,0) 6(1,0.65)
  silkscreen extent -1.22,-1.17 0.3,1.52, body extent -1.07,-1.1 1.07,1.1, height 0.9
LOG_INV_74LVC1G04GV [mm]
  rect 0.55x0.8 smd paste-0.05 mask+0.07: 1(-0.95,-1.2) 2(0,-1.2) 3(0.95,-1.2) 4(0.95,1.2) 5(-0.95,1.2)
  silkscreen extent -1.68,-1.35 1.68,0.97, body extent -1.55,-1.5 1.55,1.5, height 1.1
LOG_IOEXP_TCA9539RGER [mm] "24 VQFN"
  rrect10% 0.6x0.24 smd paste+0 mask+0.07: 1(-1.9,1.25) 2(-1.9,0.75) 3(-1.9,0.25) 4(-1.9,-0.25) 5(-1.9,-0.75) 6(-1.9,-1.25) 13(1.9,-1.25) 14(1.9,-0.75) 15(1.9,-0.25) 16(1.9,0.25) 17(1.9,0.75) 18(1.9,1.25)
  rrect10% 0.24x0.6 smd paste+0 mask+0.07: 7(-1.25,-1.9) 8(-0.75,-1.9) 9(-0.25,-1.9) 10(0.25,-1.9) 11(0.75,-1.9) 12(1.25,-1.9) 19(1.25,1.9) 20(0.75,1.9) 21(0.25,1.9) 22(-0.25,1.9) 23(-0.75,1.9) 24(-1.25,1.9)
  rrect10% 2.45x2.45 smd paste-5 mask+0.07: 25(0,0)
  silkscreen extent -2.52,-2.2 2.2,2.2, body extent -2.13,-2.13 2.13,2.13, height 0.74
MCU_STM32H735ZGT6 [mm] "TSQFP, 144-Leads, Body 20,00x20,00mm"
  rrect50% 1.35x0.3 smd paste-0.025 mask+0.048: 1(-10.625,8.75) 2(-10.625,8.25) 3(-10.625,7.75) 4(-10.625,7.25) 5(-10.625,6.75) 6(-10.625,6.25) 7(-10.625,5.75) 8(-10.625,5.25) 9(-10.625,4.75) 10(-10.625,4.25) 11(-10.625,3.75) 12(-10.625,3.25) 13(-10.625,2.75) 14(-10.625,2.25) 15(-10.625,1.75) 16(-10.625,1.25) 17(-10.625,0.75) 18(-10.625,0.25) 19(-10.625,-0.25) 20(-10.625,-0.75) 21(-10.625,-1.25) 22(-10.625,-1.75) 23(-10.625,-2.25) 24(-10.625,-2.75) 25(-10.625,-3.25) 26(-10.625,-3.75) 27(-10.625,-4.25) 28(-10.625,-4.75) 29(-10.625,-5.25) 30(-10.625,-5.75) 31(-10.625,-6.25) 32(-10.625,-6.75) 33(-10.625,-7.25) 34(-10.625,-7.75) 35(-10.625,-8.25) 36(-10.625,-8.75) 73(10.625,-8.75) 74(10.625,-8.25) 75(10.625,-7.75) 76(10.625,-7.25) 77(10.625,-6.75) 78(10.625,-6.25) 79(10.625,-5.75) 80(10.625,-5.25) 81(10.625,-4.75) 82(10.625,-4.25) 83(10.625,-3.75) 84(10.625,-3.25) 85(10.625,-2.75) 86(10.625,-2.25) 87(10.625,-1.75) 88(10.625,-1.25) 89(10.625,-0.75) 90(10.625,-0.25) 91(10.625,0.25) 92(10.625,0.75) 93(10.625,1.25) 94(10.625,1.75) 95(10.625,2.25) 96(10.625,2.75) 97(10.625,3.25) 98(10.625,3.75) 99(10.625,4.25) 100(10.625,4.75) 101(10.625,5.25) 102(10.625,5.75) 103(10.625,6.25) 104(10.625,6.75) 105(10.625,7.25) 106(10.625,7.75) 107(10.625,8.25) 108(10.625,8.75)
  rrect50% 0.3x1.35 smd paste-0.025 mask+0.048: 37(-8.75,-10.625) 38(-8.25,-10.625) 39(-7.75,-10.625) 40(-7.25,-10.625) 41(-6.75,-10.625) 42(-6.25,-10.625) 43(-5.75,-10.625) 44(-5.25,-10.625) 45(-4.75,-10.625) 46(-4.25,-10.625) 47(-3.75,-10.625) 48(-3.25,-10.625) 49(-2.75,-10.625) 50(-2.25,-10.625) 51(-1.75,-10.625) 52(-1.25,-10.625) 53(-0.75,-10.625) 54(-0.25,-10.625) 55(0.25,-10.625) 56(0.75,-10.625) 57(1.25,-10.625) 58(1.75,-10.625) 59(2.25,-10.625) 60(2.75,-10.625) 61(3.25,-10.625) 62(3.75,-10.625) 63(4.25,-10.625) 64(4.75,-10.625) 65(5.25,-10.625) 66(5.75,-10.625) 67(6.25,-10.625) 68(6.75,-10.625) 69(7.25,-10.625) 70(7.75,-10.625) 71(8.25,-10.625) 72(8.75,-10.625) 109(8.75,10.625) 110(8.25,10.625) 111(7.75,10.625) 112(7.25,10.625) 113(6.75,10.625) 114(6.25,10.625) 115(5.75,10.625) 116(5.25,10.625) 117(4.75,10.625) 118(4.25,10.625) 119(3.75,10.625) 120(3.25,10.625) 121(2.75,10.625) 122(2.25,10.625) 123(1.75,10.625) 124(1.25,10.625) 125(0.75,10.625) 126(0.25,10.625) 127(-0.25,10.625) 128(-0.75,10.625) 129(-1.25,10.625) 130(-1.75,10.625) 131(-2.25,10.625) 132(-2.75,10.625) 133(-3.25,10.625) 134(-3.75,10.625) 135(-4.25,10.625) 136(-4.75,10.625) 137(-5.25,10.625) 138(-5.75,10.625) 139(-6.25,10.625) 140(-6.75,10.625) 141(-7.25,10.625) 142(-7.75,10.625) 143(-8.25,10.625) 144(-8.75,10.625)
  silkscreen extent -10.85,-9.6 9.6,9.6, body extent -11,-11 11,11, height 1.6
MEC_PEM_SMTSO-M3-2ET [mm]
  round 6.2 hole 4.22 paste-6.2: 1(0,0)
  silkscreen extent -3.57,-3.58 3.58,3.58, body extent -2.78,-2.78 2.78,2.78, height 2.03
MEM_EEPROM_93LC46BT-E/OT [mm] "SOT23-6 for EEPROM"
  rect 1.05x0.6 smd paste-0.05 mask+0.05: 1(-1.425,0.95) 2(-1.425,0) 3(-1.425,-0.95) 4(1.425,-0.95) 5(1.425,0) 6(1.425,0.95)
  silkscreen extent -1.55,-1.55 0.5,1.92, body extent -1.6,-1.55 1.6,1.55, height 1.45
MTH_M3 [mm] "Mounting Hole Metric M3"
  round 6.2 hole 3.3 paste-7.62 mask+0.07: 1(0,0)
OSC_CRY_ASDM1-25.000MHZ-LC-T [mm] "4-SMD, No Lead"
  rect 0.65x0.85 smd paste-0.025 mask+0.07: 1(-0.825,-0.775) 3(0.825,0.775) 4(-0.825,0.775)
  rect 0.65x0.85 smd: 2(0.825,-0.775)
  silkscreen extent -1.25,-1.58 1.25,1, body extent -1.25,-1 1.25,1, height 0.85
"OSC_O 24,0-JO32-B-1V3-1-T1-LF" [mm] "4-SMD, No Lead"
  rrect10% 1.3x1.1 smd paste-0.05 mask+0.05: 1(-1.15,-0.95) 2(1.15,-0.95) 3(1.15,0.95) 4(-1.15,0.95)
  silkscreen extent -1.89,-1.95 1.73,1.37, body extent -1.6,-1.24 1.6,1.24, height 1.05
"OSC_O 38,40-JT21G-E-M-3,3-LF" [mm]
  rrect10% 0.85x0.65 smd paste-0.025 mask+0.04: 1(-0.525,0.8) 2(-0.525,-0.8) 3(0.525,-0.8) 4(0.525,0.8)
  silkscreen extent -1.09,-0.3 0.85,0.34, body extent -0.8,-1 0.8,1, height 0.7
POW_MIC94072YC6-TR [mm] "SOT23, 6-Leads, Body 2.00x2.10mm, Pitch 0.65mm, IPC Medium Density"
  rrect20% 0.8x0.4 smd paste-0.025 mask+0.07: 1(-1.2,0.65) 2(-1.2,0) 3(-1.2,-0.65) 4(1.2,-0.65) 5(1.2,0) 6(1.2,0.65)
  silkscreen extent -1.48,-1.17 0.3,1.36, body extent -1.3,-1.1 1.3,1.1, height 1.1